# EAGLE board Mk4 Final Panel 6up 3x2 (EAGLE 9.0.1), part 3 of 18 (continued)
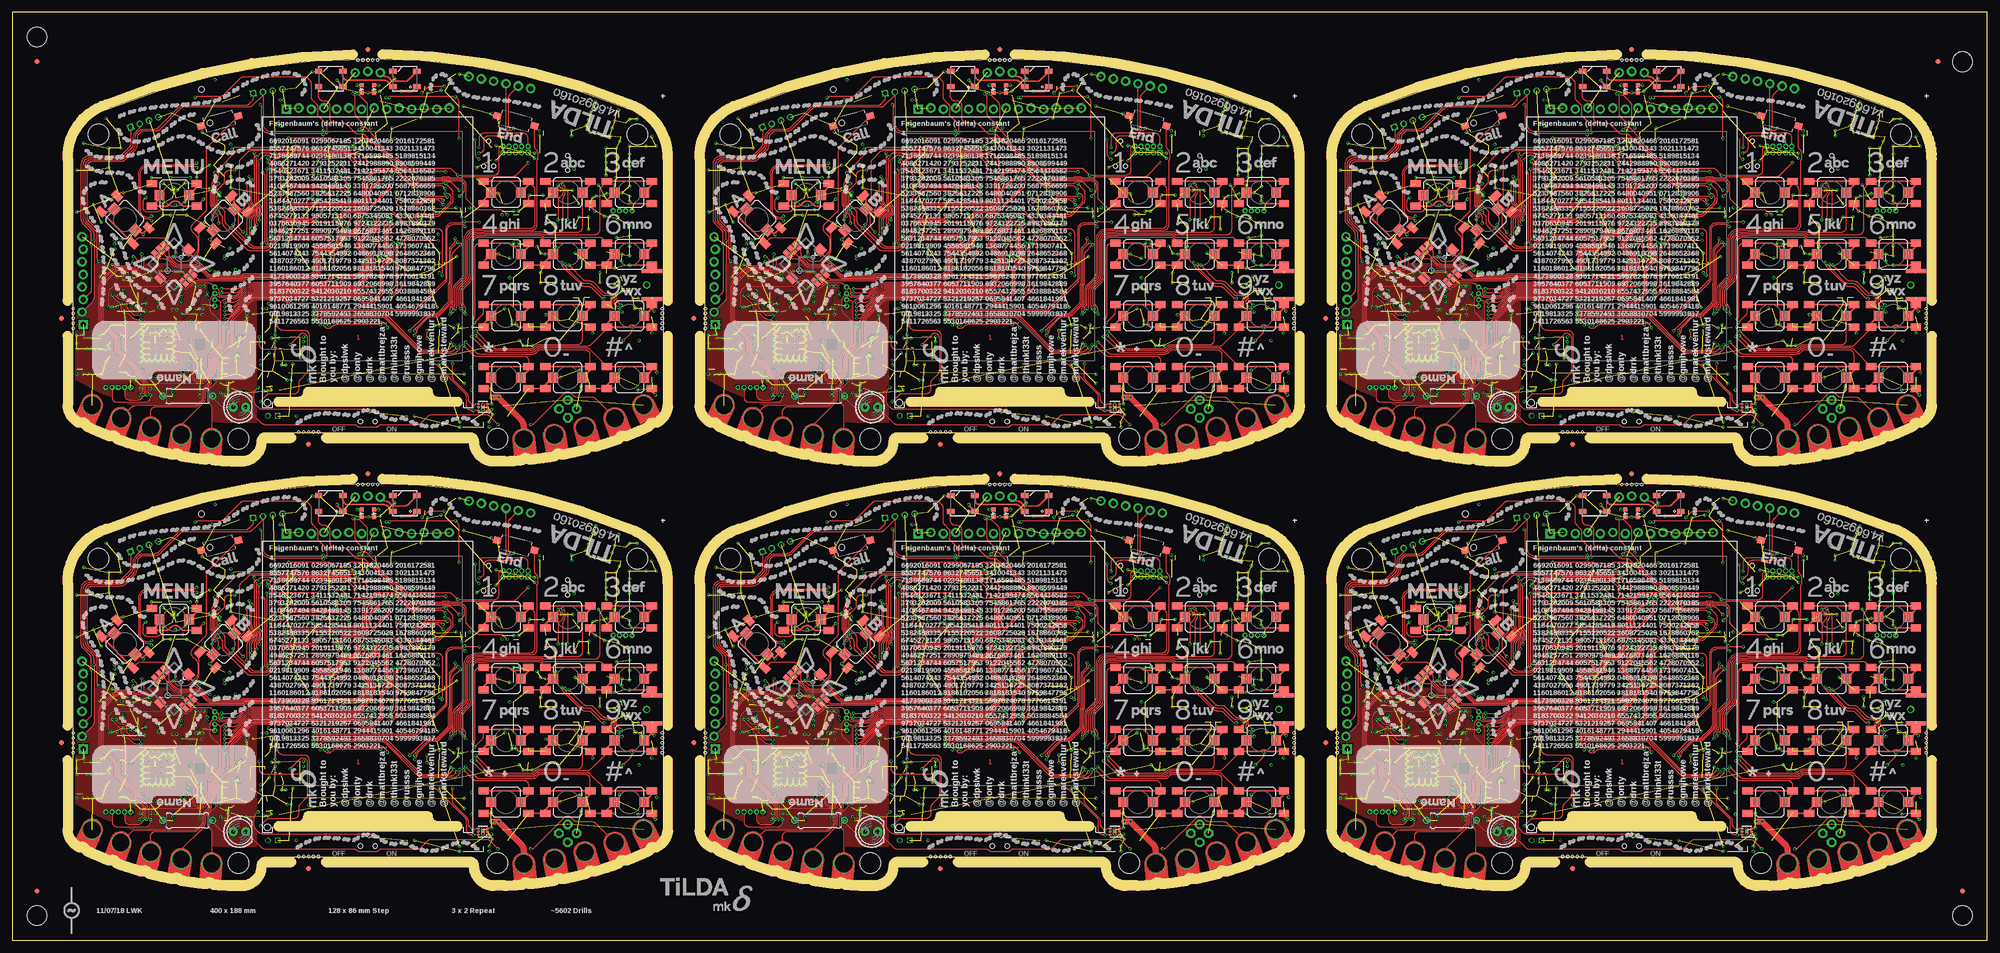
[diagram p0: board, top side]
## Library data of the parts
ANT1-ANT10 ANT13 ANT14 ARTWORK3-ARTWORK7 ARTWORK10-ARTWORK14 ARTWORK17-ARTWORK21 ARTWORK24-ARTWORK28 ARTWORK31-ARTWORK35 ARTWORK45-ARTWORK49 BATT BATT1-BATT4 BATT6 C1-C31 C33-C71 C78 C79 C81-C141 C143-C172 C179 C180 C182-C249 C251-C280 C287 C288 C290-C357 C359-C388 C395 C396 C398-C465 C467-C496 C503 C504 C506-C540 C649-C681 C683-C712 C719 C720 C722-C756 D1-D10 D13 D14 E$4 E$11 FL1-FL5 FL7 IC1-IC90 IC109-IC126 J1 J2 J4-J6 J8-J12 J14-J18 J20-J22 J24-J28 J30-J32 J34-J38 J40-J42 J44-J48 J50 J61 J62 J64-J68 J70 JP1 JP5 JP6 JP8 JP15-JP18 JP24-JP27 JP33-JP36 JP42-JP45 JP60-JP63 L1-L45 L55-L63 LCD LCD1-LCD4 LCD6 LED1 LED2 LED7 LED8 LED13 LED14 LED19 LED20 LED25 LED26 LED37 LED38 LOGO1-LOGO25 LOGO31-LOGO35 PCB PCB1-PCB4 PCB6 Q1-Q20 Q25-Q28 R1-R10 R12-R74 R76-R94 R96-R155 R157-R172 R174-R233 R235-R250 R252-R311 R313-R328 R330-R389 R469-R484 R486-R545 S1-S19 S21-S40 S42-S61 S63-S82 S84-S103 S105 S127-S145 S147 SW1-SW5 SW7 TP19 TP38 TP57 TP76 TP95 TP133 U1-U15 U19-U21 X1-X20 X25-X28 = TiLDA Mk4 Parts
ARTWORK1 ARTWORK2 ARTWORK8 ARTWORK9 ARTWORK15 ARTWORK16 ARTWORK22 ARTWORK23 ARTWORK29 ARTWORK30 ARTWORK43 ARTWORK44 C32 C72-C77 C80 C142 C173-C178 C181 C250 C281-C286 C289 C358 C389-C394 C397 C466 C497-C502 C505 C682 C713-C718 C721 FID1-FID30 FID37-FID42 J3 J13 J23 J33 J43 J63 JP2-JP4 JP7 JP9-JP14 JP19-JP23 JP28-JP32 JP37-JP41 JP55-JP59 LAYERS1-LAYERS5 LAYERS7 LED5 LED11 LED17 LED23 LED29 LED41 R11 R75 R95 R156 R173 R234 R251 R312 R329 R390 R485 R546 S20 S41 S62 S83 S104 S146 = TiLDA Mk4 Parts; DNP: Y
E$1-E$3 E$5-E$10 = TiLDA Mk3 Parts
J7 J19 J29 J39 J49 J69 = CISECO eaglecad designs
LED3 LED6 LED9 LED12 LED15 LED18 LED21 LED24 LED27 LED30 LED39 LED42 = TiLDA Mk4 Parts; COLOUR: RED
LED4 LED10 LED16 LED22 LED28 LED40 = TiLDA Mk4 Parts; COLOUR: GREEN
TP1 TP20 TP39 TP58 TP77 TP115 = TiLDA Mk4 Parts; TP_SIGNAL_NAME: !HIB
TP2 TP21 TP40 TP59 TP78 TP116 = TiLDA Mk4 Parts; TP_SIGNAL_NAME: SIM_DTR
TP3 TP22 TP41 TP60 TP79 TP117 = TiLDA Mk4 Parts; TP_SIGNAL_NAME: SIM_DCD
TP4 TP23 TP42 TP61 TP80 TP118 = TiLDA Mk4 Parts; TP_SIGNAL_NAME: SIM_CTS
TP5 TP24 TP43 TP62 TP81 TP119 = TiLDA Mk4 Parts; TP_SIGNAL_NAME: SIM_RTS
TP6 TP25 TP44 TP63 TP82 TP120 = TiLDA Mk4 Parts; TP_SIGNAL_NAME: USB_ID
TP7 TP26 TP45 TP64 TP83 TP121 = TiLDA Mk4 Parts; TP_SIGNAL_NAME: USB_VBUS
TP8 TP27 TP46 TP65 TP84 TP122 = TiLDA Mk4 Parts; TP_SIGNAL_NAME: SIM_RXD
TP9 TP28 TP47 TP66 TP85 TP123 = TiLDA Mk4 Parts; TP_SIGNAL_NAME: SIM_TXD
TP10 TP29 TP48 TP67 TP86 TP124 = TiLDA Mk4 Parts; TP_SIGNAL_NAME: SIM_RI
TP11 TP30 TP49 TP68 TP87 TP125 = TiLDA Mk4 Parts; TP_SIGNAL_NAME: SIM_STATUS
TP12 TP31 TP50 TP69 TP88 TP126 = TiLDA Mk4 Parts; TP_SIGNAL_NAME: SIM_NETLIGHT
TP13 TP32 TP51 TP70 TP89 TP127 = TiLDA Mk4 Parts; TP_SIGNAL_NAME: SIM_PWR_KEY
TP14 TP33 TP52 TP71 TP90 TP128 = TiLDA Mk4 Parts; TP_SIGNAL_NAME: VBAT
TP15 TP34 TP53 TP72 TP91 TP129 = TiLDA Mk4 Parts; TP_SIGNAL_NAME: VBATT
TP16 TP35 TP54 TP73 TP92 TP130 = TiLDA Mk4 Parts; TP_SIGNAL_NAME: 3V3
TP17 TP36 TP55 TP74 TP93 TP131 = TiLDA Mk4 Parts; TP_SIGNAL_NAME: GND
TP18 TP37 TP56 TP75 TP94 TP132 = TiLDA Mk4 Parts; TP_SIGNAL_NAME: V_UNREG
U$1-U$5 U$7 = TiLDA Mk4 Parts; PARTNO: DNP

## Nets
3V1: C109.2 C110.2 C112.2 C113.2 C114.2 C115.2 C119.2 C120.2 C121.2 C122.2 C123.2 C124.2 C131.2 C132.2 C133.2 C134.2 C135.2 C136.2 C137.2 C138.2 C143.1 C145.1 C153.2 C154.2 C171.2 C172.2 C185.1 C186.2 C196.1 C197.1 C198.1 C199.1 C200.1 C201.1 C210.1 C211.1 C212.1 C215.1 C216.1 IC19.1 IC19.3 IC19.9 IC19.14 IC19.27 IC19.43 IC19.49 IC20.7 IC20.8 IC20.9 IC20.16 IC20.26 IC20.28 IC20.39 IC20.47 IC20.51 IC20.52 IC20.68 IC20.69 IC20.79 IC20.90 IC20.101 IC20.113 IC20.122 IC22.8 IC26.8 IC27.14 IC28.6 IC29.10 IC29.37 IC29.39 IC29.44 IC29.47 IC29.54 IC30.8 IC31.21 IC32.5 IC34.1 IC35.5 IC36.1 J6.1 J6.7 J6.8 J6.9 J6.35 J6.40 J6.41 J6.42 J13.1 J16.3 J16.7 J18.3 J18.7 J20.2 JP10.1 JP12.8 JP12.11 JP12.14 JP17.8 L11.2 PCB1.3V3 R88.2 R89.2 R93.1 R94.1 R95.2 R103.2 R104.2 R105.2 R106.2 R128.2 R134.2 R138.1 R144.1 R145.2 R146.2 R147.2 R151.2 R152.2 SW2.COM TP35.TP
3V2: C217.2 C218.2 C220.2 C221.2 C222.2 C223.2 C227.2 C228.2 C229.2 C230.2 C231.2 C232.2 C239.2 C240.2 C241.2 C242.2 C243.2 C244.2 C245.2 C246.2 C251.1 C253.1 C261.2 C262.2 C279.2 C280.2 C293.1 C294.2 C304.1 C305.1 C306.1 C307.1 C308.1 C309.1 C318.1 C319.1 C320.1 C323.1 C324.1 IC37.1 IC37.3 IC37.9 IC37.14 IC37.27 IC37.43 IC37.49 IC38.7 IC38.8 IC38.9 IC38.16 IC38.26 IC38.28 IC38.39 IC38.47 IC38.51 IC38.52 IC38.68 IC38.69 IC38.79 IC38.90 IC38.101 IC38.113 IC38.122 IC40.8 IC44.8 IC45.14 IC46.6 IC47.10 IC47.37 IC47.39 IC47.44 IC47.47 IC47.54 IC48.8 IC49.21 IC50.5 IC52.1 IC53.5 IC54.1 J21.1 J21.7 J21.8 J21.9 J21.35 J21.40 J21.41 J21.42 J23.1 J26.3 J26.7 J28.3 J28.7 J30.2 JP19.1 JP21.8 JP21.11 JP21.14 JP26.8 L20.2 PCB2.3V3 R166.2 R167.2 R171.1 R172.1 R173.2 R181.2 R182.2 R183.2 R184.2 R206.2 R212.2 R216.1 R222.1 R223.2 R224.2 R225.2 R229.2 R230.2 SW3.COM TP54.TP
3V3: C2.2 C3.2 C4.2 C5.2 C9.2 C10.2 C11.2 C12.2 C13.2 C14.2 C21.2 C22.2 C23.2 C24.2 C25.2 C26.2 C27.2 C28.2 C33.1 C38.2 C42.2 C43.2 C45.2 C47.1 C58.1 C59.2 C70.2 C71.2 C88.1 C89.1 C90.1 C91.1 C92.1 C93.1 C102.1 C103.1 C104.1 C107.1 C108.1 IC1.7 IC1.8 IC1.9 IC1.16 IC1.26 IC1.28 IC1.39 IC1.47 IC1.51 IC1.52 IC1.68 IC1.69 IC1.79 IC1.90 IC1.101 IC1.113 IC1.122 IC2.1 IC2.3 IC2.9 IC2.14 IC2.27 IC2.43 IC2.49 IC3.5 IC4.21 IC6.8 IC11.8 IC12.14 IC13.6 IC14.8 IC15.10 IC15.37 IC15.39 IC15.44 IC15.47 IC15.54 IC16.5 IC17.1 IC18.1 J2.1 J2.7 J2.8 J2.9 J2.35 J2.40 J2.41 J2.42 J3.1 J8.3 J8.7 J10.3 J10.7 J11.2 JP4.1 JP6.8 JP7.8 JP7.11 JP7.14 L4.2 PCB.3V3 R4.2 R5.2 R9.1 R10.1 R11.2 R21.2 R22.2 R23.2 R24.2 R50.2 R56.2 R60.1 R66.1 R67.2 R68.2 R69.2 R73.2 R76.2 SW1.COM TP16.TP
3V4: C325.2 C326.2 C328.2 C329.2 C330.2 C331.2 C335.2 C336.2 C337.2 C338.2 C339.2 C340.2 C347.2 C348.2 C349.2 C350.2 C351.2 C352.2 C353.2 C354.2 C359.1 C361.1 C369.2 C370.2 C387.2 C388.2 C401.1 C402.2 C412.1 C413.1 C414.1 C415.1 C416.1 C417.1 C426.1 C427.1 C428.1 C431.1 C432.1 IC55.1 IC55.3 IC55.9 IC55.14 IC55.27 IC55.43 IC55.49 IC56.7 IC56.8 IC56.9 IC56.16 IC56.26 IC56.28 IC56.39 IC56.47 IC56.51 IC56.52 IC56.68 IC56.69 IC56.79 IC56.90 IC56.101 IC56.113 IC56.122 IC58.8 IC62.8 IC63.14 IC64.6 IC65.10 IC65.37 IC65.39 IC65.44 IC65.47 IC65.54 IC66.8 IC67.21 IC68.5 IC70.1 IC71.5 IC72.1 J31.1 J31.7 J31.8 J31.9 J31.35 J31.40 J31.41 J31.42 J33.1 J36.3 J36.7 J38.3 J38.7 J40.2 JP28.1 JP30.8 JP30.11 JP30.14 JP35.8 L29.2 PCB3.3V3 R244.2 R245.2 R249.1 R250.1 R251.2 R259.2 R260.2 R261.2 R262.2 R284.2 R290.2 R294.1 R300.1 R301.2 R302.2 R303.2 R307.2 R308.2 SW4.COM TP73.TP
3V5: C433.2 C434.2 C436.2 C437.2 C438.2 C439.2 C443.2 C444.2 C445.2 C446.2 C447.2 C448.2 C455.2 C456.2 C457.2 C458.2 C459.2 C460.2 C461.2 C462.2 C467.1 C469.1 C477.2 C478.2 C495.2 C496.2 C509.1 C510.2 C520.1 C521.1 C522.1 C523.1 C524.1 C525.1 C534.1 C535.1 C536.1 C539.1 C540.1 IC73.1 IC73.3 IC73.9 IC73.14 IC73.27 IC73.43 IC73.49 IC74.7 IC74.8 IC74.9 IC74.16 IC74.26 IC74.28 IC74.39 IC74.47 IC74.51 IC74.52 IC74.68 IC74.69 IC74.79 IC74.90 IC74.101 IC74.113 IC74.122 IC76.8 IC80.8 IC81.14 IC82.6 IC83.10 IC83.37 IC83.39 IC83.44 IC83.47 IC83.54 IC84.8 IC85.21 IC86.5 IC88.1 IC89.5 IC90.1 J41.1 J41.7 J41.8 J41.9 J41.35 J41.40 J41.41 J41.42 J43.1 J46.3 J46.7 J48.3 J48.7 J50.2 JP37.1 JP39.8 JP39.11 JP39.14 JP44.8 L38.2 PCB4.3V3 R322.2 R323.2 R327.1 R328.1 R329.2 R337.2 R338.2 R339.2 R340.2 R362.2 R368.2 R372.1 R378.1 R379.2 R380.2 R381.2 R385.2 R386.2 SW5.COM TP92.TP
3V7: C649.2 C650.2 C652.2 C653.2 C654.2 C655.2 C659.2 C660.2 C661.2 C662.2 C663.2 C664.2 C671.2 C672.2 C673.2 C674.2 C675.2 C676.2 C677.2 C678.2 C683.1 C685.1 C693.2 C694.2 C711.2 C712.2 C725.1 C726.2 C736.1 C737.1 C738.1 C739.1 C740.1 C741.1 C750.1 C751.1 C752.1 C755.1 C756.1 IC109.1 IC109.3 IC109.9 IC109.14 IC109.27 IC109.43 IC109.49 IC110.7 IC110.8 IC110.9 IC110.16 IC110.26 IC110.28 IC110.39 IC110.47 IC110.51 IC110.52 IC110.68 IC110.69 IC110.79 IC110.90 IC110.101 IC110.113 IC110.122 IC112.8 IC116.8 IC117.14 IC118.6 IC119.10 IC119.37 IC119.39 IC119.44 IC119.47 IC119.54 IC120.8 IC121.21 IC122.5 IC124.1 IC125.5 IC126.1 J61.1 J61.7 J61.8 J61.9 J61.35 J61.40 J61.41 J61.42 J63.1 J66.3 J66.7 J68.3 J68.7 J70.2 JP55.1 JP57.8 JP57.11 JP57.14 JP62.8 L56.2 PCB6.3V3 R478.2 R479.2 R483.1 R484.1 R485.2 R493.2 R494.2 R495.2 R496.2 R518.2 R524.2 R528.1 R534.1 R535.2 R536.2 R537.2 R541.2 R542.2 SW7.COM TP130.TP
!HIB: IC1.65 TP1.TP
!HIB1: IC20.65 TP20.TP
!HIB2: IC38.65 TP39.TP
!HIB3: IC56.65 TP58.TP
!HIB4: IC74.65 TP77.TP
!HIB6: IC110.65 TP115.TP
!RESET: C15.2 IC1.70 J3.10 R4.1 S19.2
!RESET1: C125.2 IC20.70 J13.10 R88.1 S40.2
!RESET2: C233.2 IC38.70 J23.10 R166.1 S61.2
!RESET3: C341.2 IC56.70 J33.10 R244.1 S82.2
!RESET4: C449.2 IC74.70 J43.10 R322.1 S103.2
!RESET6: C665.2 IC110.70 J63.10 R478.1 S145.2
!WAKE: IC1.64 R5.1 S20.2
!WAKE1: IC20.64 R89.1 S41.2
!WAKE2: IC38.64 R167.1 S62.2
!WAKE3: IC56.64 R245.1 S83.2
!WAKE4: IC74.64 R323.1 S104.2
!WAKE6: IC110.64 R479.1 S146.2
ADC1_HALL: IC1.13 IC18.2
ADC1_HALL1: IC20.13 IC36.2
ADC1_HALL2: IC38.13 IC54.2
ADC1_HALL3: IC56.13 IC72.2
ADC1_HALL4: IC74.13 IC90.2
ADC1_HALL6: IC110.13 IC126.2
AIN6_SPK_ADC: IC1.126 IC11.7 R46.2
AIN6_SPK_ADC1: IC20.126 IC26.7 R127.2
AIN6_SPK_ADC2: IC38.126 IC44.7 R205.2
AIN6_SPK_ADC3: IC56.126 IC62.7 R283.2
AIN6_SPK_ADC4: IC74.126 IC80.7 R361.2
AIN6_SPK_ADC6: IC110.126 IC116.7 R517.2
AMP_!SHUTDOWN: IC1.46 IC13.1 R74.1
AMP_!SHUTDOWN1: IC20.46 IC28.1 R155.1
AMP_!SHUTDOWN2: IC38.46 IC46.1 R233.1
AMP_!SHUTDOWN3: IC56.46 IC64.1 R311.1
AMP_!SHUTDOWN4: IC74.46 IC82.1 R389.1
AMP_!SHUTDOWN6: IC110.46 IC118.1 R545.1
AMP_IN_N [Audio]: IC13.4 R58.2 R78.2
AMP_IN_N1 [Audio]: IC28.4 R136.2 R154.2
AMP_IN_N2 [Audio]: IC46.4 R214.2 R232.2
AMP_IN_N3 [Audio]: IC64.4 R292.2 R310.2
AMP_IN_N4 [Audio]: IC82.4 R370.2 R388.2
AMP_IN_N6 [Audio]: IC118.4 R526.2 R544.2
AMP_IN_P [Audio]: J9.2 J9.3 R57.2 R75.2 R77.2
AMP_IN_P1 [Audio]: J17.2 J17.3 R135.2 R153.2 R156.2
AMP_IN_P2 [Audio]: J27.2 J27.3 R213.2 R231.2 R234.2
AMP_IN_P3 [Audio]: J37.2 J37.3 R291.2 R309.2 R312.2
AMP_IN_P4 [Audio]: J47.2 J47.3 R369.2 R387.2 R390.2
AMP_IN_P6 [Audio]: J67.2 J67.3 R525.2 R543.2 R546.2
AMP_IN_R1_N: C106.1 R78.1
AMP_IN_R1_N1: C214.1 R154.1
AMP_IN_R1_N2: C322.1 R232.1
AMP_IN_R1_N3: C430.1 R310.1
AMP_IN_R1_N4: C538.1 R388.1
AMP_IN_R1_N6: C754.1 R544.1
AMP_IN_R1_P: C105.1 R77.1
AMP_IN_R1_P1: C213.1 R153.1
AMP_IN_R1_P2: C321.1 R231.1
AMP_IN_R1_P3: C429.1 R309.1
AMP_IN_R1_P4: C537.1 R387.1
AMP_IN_R1_P6: C753.1 R543.1
AMP_IN_R_N [Audio]: C82.1 R58.1
AMP_IN_R_N1 [Audio]: C183.1 R136.1
AMP_IN_R_N2 [Audio]: C291.1 R214.1
AMP_IN_R_N3 [Audio]: C399.1 R292.1
AMP_IN_R_N4 [Audio]: C507.1 R370.1
AMP_IN_R_N6 [Audio]: C723.1 R526.1
AMP_IN_R_P [Audio]: C83.1 R57.1
AMP_IN_R_P1 [Audio]: C184.1 R135.1
AMP_IN_R_P2 [Audio]: C292.1 R213.1
AMP_IN_R_P3 [Audio]: C400.1 R291.1
AMP_IN_R_P4 [Audio]: C508.1 R369.1
AMP_IN_R_P6 [Audio]: C724.1 R525.1
AMP_IN_TRS_P [Audio]: IC13.3 J9.5 J9.6 R75.1
AMP_IN_TRS_P1 [Audio]: IC28.3 J17.5 J17.6 R156.1
AMP_IN_TRS_P2 [Audio]: IC46.3 J27.5 J27.6 R234.1
AMP_IN_TRS_P3 [Audio]: IC64.3 J37.5 J37.6 R312.1
AMP_IN_TRS_P4 [Audio]: IC82.3 J47.5 J47.6 R390.1
AMP_IN_TRS_P6 [Audio]: IC118.3 J67.5 J67.6 R546.1
BQ_!CE: IC8.9 R17.1
BQ_!CE1: IC24.9 R99.1
BQ_!CE2: IC42.9 R177.1
BQ_!CE3: IC60.9 R255.1
BQ_!CE4: IC78.9 R333.1
BQ_!CE6: IC114.9 R489.1
BQ_!INT: IC1.14 IC8.7
BQ_!INT1: IC20.14 IC24.7
BQ_!INT2: IC38.14 IC42.7
BQ_!INT3: IC56.14 IC60.7
BQ_!INT4: IC74.14 IC78.7
BQ_!INT6: IC110.14 IC114.7
BQ_!PG: IC8.3
BQ_!PG1: IC24.3
BQ_!PG2: IC42.3
BQ_!PG3: IC60.3
BQ_!PG4: IC78.3
BQ_!PG6: IC114.3
BQ_!QON: IC8.12 JP3.2
BQ_!QON1: IC24.12 JP13.2
BQ_!QON2: IC42.12 JP22.2
BQ_!QON3: IC60.12 JP31.2
BQ_!QON4: IC78.12 JP40.2
BQ_!QON6: IC114.12 JP58.2
BQ_PMID: C36.1 IC8.23
BQ_PMID1: C148.1 IC24.23
BQ_PMID2: C256.1 IC42.23
BQ_PMID3: C364.1 IC60.23
BQ_PMID4: C472.1 IC78.23
BQ_PMID6: C688.1 IC114.23
BQ_PSEL: IC8.2 R18.1 R19.1
BQ_PSEL1: IC24.2 R100.1 R101.1
BQ_PSEL2: IC42.2 R178.1 R179.1
BQ_PSEL3: IC60.2 R256.1 R257.1
BQ_PSEL4: IC78.2 R334.1 R335.1
BQ_PSEL6: IC114.2 R490.1 R491.1
BQ_REGN: C39.2 IC8.22 R16.2
BQ_REGN1: C149.2 IC24.22 R98.2
BQ_REGN2: C257.2 IC42.22 R176.2
BQ_REGN3: C365.2 IC60.22 R254.2
BQ_REGN4: C473.2 IC78.22 R332.2
BQ_REGN6: C689.2 IC114.22 R488.2
BQ_STAT: IC8.4 R20.1
BQ_STAT1: IC24.4 R102.1
BQ_STAT2: IC42.4 R180.1
BQ_STAT3: IC60.4 R258.1
BQ_STAT4: IC78.4 R336.1
BQ_STAT6: IC114.4 R492.1
BQ_STAT_R: LED6.C R20.2
BQ_STAT_R1: LED12.C R102.2
BQ_STAT_R2: LED18.C R180.2
BQ_STAT_R3: LED24.C R258.2
BQ_STAT_R4: LED30.C R336.2
BQ_STAT_R6: LED42.C R492.2
BQ_SW: C37.2 IC8.19 IC8.20 L1.1
BQ_SW1: C150.2 IC24.19 IC24.20 L12.1
BQ_SW2: C258.2 IC42.19 IC42.20 L21.1
BQ_SW3: C366.2 IC60.19 IC60.20 L30.1
BQ_SW4: C474.2 IC78.19 IC78.20 L39.1
BQ_SW6: C690.2 IC114.19 IC114.20 L57.1
BQ_TS: IC8.11 R15.2 R16.1
BQ_TS1: IC24.11 R97.2 R98.1
BQ_TS2: IC42.11 R175.2 R176.1
BQ_TS3: IC60.11 R253.2 R254.1
BQ_TS4: IC78.11 R331.2 R332.1
BQ_TS6: IC114.11 R487.2 R488.1
BT_ANT [50R Single]: C74.2 IC5.20 L5.1
BT_ANT1 [50R Single]: C175.2 IC21.20 L14.1
BT_ANT2 [50R Single]: C283.2 IC39.20 L23.1
BT_ANT3 [50R Single]: C391.2 IC57.20 L32.1
BT_ANT4 [50R Single]: C499.2 IC75.20 L41.1
BT_ANT6 [50R Single]: C715.2 IC111.20 L59.1
BT_ANT_L [50R Single]: ANT2.1 C75.2 L5.2
BT_ANT_L1 [50R Single]: ANT4.1 C176.2 L14.2
BT_ANT_L2 [50R Single]: ANT6.1 C284.2 L23.2
BT_ANT_L3 [50R Single]: ANT8.1 C392.2 L32.2
BT_ANT_L4 [50R Single]: ANT10.1 C500.2 L41.2
BT_ANT_L6 [50R Single]: ANT14.1 C716.2 L59.2
BTN_1: IC4.1 S1.2 S1.B1 S1.B2
BTN_2: IC4.3 S2.2 S2.B1 S2.B2
BTN_3: IC4.4 S3.2 S3.B1 S3.B2
BTN_4: IC4.7 S4.2 S4.B1 S4.B2
BTN_5: IC4.6 S5.2 S5.B1 S5.B2
BTN_6: IC4.5 S6.2 S6.B1 S6.B2
BTN_7: IC4.8 S7.2 S7.B1 S7.B2
BTN_8: IC4.10 S8.2 S8.B1 S8.B2
BTN_9: IC4.11 S9.2 S9.B1 S9.B2
BTN_10: IC4.14 S10.2 S10.B1 S10.B2
BTN_11: IC4.13 S11.2 S11.B1 S11.B2
BTN_12: IC4.12 S12.2 S12.B1 S12.B2
BTN_13: IC31.1 S21.2 S21.B1 S21.B2
BTN_14: IC31.3 S26.2 S26.B1 S26.B2
BTN_15: IC31.4 S30.2 S30.B1 S30.B2
BTN_16: IC31.14 S25.2 S25.B1 S25.B2
BTN_17: IC31.6 S27.2 S27.B1 S27.B2
BTN_18: IC31.10 S28.2 S28.B1 S28.B2
BTN_19: IC31.13 S29.2 S29.B1 S29.B2
BTN_20: IC31.5 S31.2 S31.B1 S31.B2
BTN_21: IC31.11 S32.2 S32.B1 S32.B2
BTN_22: IC31.12 S33.2 S33.B1 S33.B2
BTN_23: IC31.7 S23.2 S23.B1 S23.B2
BTN_24: IC31.8 S24.2 S24.B1 S24.B2
BTN_25: IC49.1 S43.2 S43.B1 S43.B2
BTN_26: IC49.3 S47.2 S47.B1 S47.B2
BTN_27: IC49.4 S51.2 S51.B1 S51.B2
BTN_28: IC49.14 S46.2 S46.B1 S46.B2
BTN_29: IC49.6 S48.2 S48.B1 S48.B2
BTN_30: IC49.10 S49.2 S49.B1 S49.B2
BTN_31: IC49.13 S50.2 S50.B1 S50.B2
BTN_32: IC49.5 S52.2 S52.B1 S52.B2
BTN_33: IC49.11 S53.2 S53.B1 S53.B2
BTN_34: IC49.12 S54.2 S54.B1 S54.B2
BTN_35: IC49.7 S44.2 S44.B1 S44.B2
BTN_36: IC49.8 S45.2 S45.B1 S45.B2
BTN_37: IC67.1 S64.2 S64.B1 S64.B2
BTN_38: IC67.3 S68.2 S68.B1 S68.B2
BTN_39: IC67.4 S72.2 S72.B1 S72.B2
BTN_40: IC67.14 S67.2 S67.B1 S67.B2
BTN_41: IC67.6 S69.2 S69.B1 S69.B2
BTN_42: IC67.10 S70.2 S70.B1 S70.B2
BTN_43: IC67.13 S71.2 S71.B1 S71.B2
BTN_44: IC67.5 S73.2 S73.B1 S73.B2
BTN_45: IC67.11 S74.2 S74.B1 S74.B2
BTN_46: IC67.12 S75.2 S75.B1 S75.B2
BTN_47: IC67.7 S65.2 S65.B1 S65.B2
BTN_48: IC67.8 S66.2 S66.B1 S66.B2
BTN_49: IC85.1 S85.2 S85.B1 S85.B2
BTN_50: IC85.3 S89.2 S89.B1 S89.B2
BTN_51: IC85.4 S93.2 S93.B1 S93.B2
BTN_52: IC85.14 S88.2 S88.B1 S88.B2
BTN_53: IC85.6 S90.2 S90.B1 S90.B2
BTN_54: IC85.10 S91.2 S91.B1 S91.B2
BTN_55: IC85.13 S92.2 S92.B1 S92.B2
BTN_56: IC85.5 S94.2 S94.B1 S94.B2
BTN_57: IC85.11 S95.2 S95.B1 S95.B2
BTN_58: IC85.12 S96.2 S96.B1 S96.B2
BTN_59: IC85.7 S86.2 S86.B1 S86.B2
BTN_60: IC85.8 S87.2 S87.B1 S87.B2
BTN_73: IC121.1 S127.2 S127.B1 S127.B2
BTN_74: IC121.3 S131.2 S131.B1 S131.B2
BTN_75: IC121.4 S135.2 S135.B1 S135.B2
BTN_76: IC121.14 S130.2 S130.B1 S130.B2
BTN_77: IC121.6 S132.2 S132.B1 S132.B2
BTN_78: IC121.10 S133.2 S133.B1 S133.B2
BTN_79: IC121.13 S134.2 S134.B1 S134.B2
BTN_80: IC121.5 S136.2 S136.B1 S136.B2
BTN_81: IC121.11 S137.2 S137.B1 S137.B2
BTN_82: IC121.12 S138.2 S138.B1 S138.B2
BTN_83: IC121.7 S128.2 S128.B1 S128.B2
BTN_84: IC121.8 S129.2 S129.B1 S129.B2
BTN_A: IC4.16 S13.2 S13.B1 S13.B2
BTN_A1: IC31.16 S35.2 S35.B1 S35.B2
BTN_A2: IC49.16 S56.2 S56.B1 S56.B2
BTN_A3: IC67.16 S77.2 S77.B1 S77.B2
BTN_A4: IC85.16 S98.2 S98.B1 S98.B2
BTN_A6: IC121.16 S140.2 S140.B1 S140.B2
BTN_B: IC4.17 S15.2 S15.B1 S15.B2
BTN_B1: IC31.17 S34.2 S34.B1 S34.B2
BTN_B2: IC49.17 S55.2 S55.B1 S55.B2
BTN_B3: IC67.17 S76.2 S76.B1 S76.B2
BTN_B4: IC85.17 S97.2 S97.B1 S97.B2
BTN_B6: IC121.17 S139.2 S139.B1 S139.B2
BTN_CALL: IC4.15 S16.2
BTN_CALL1: IC31.15 S37.2
BTN_CALL2: IC49.15 S58.2
BTN_CALL3: IC67.15 S79.2
BTN_CALL4: IC85.15 S100.2
BTN_CALL6: IC121.15 S142.2
BTN_END: IC4.2 S17.2
BTN_END1: IC31.2 S38.2
BTN_END2: IC49.2 S59.2
BTN_END3: IC67.2 S80.2
BTN_END4: IC85.2 S101.2
BTN_END6: IC121.2 S143.2
BTN_MENU: IC1.102 S14.2 S14.B1 S14.B2
BTN_MENU1: IC20.102 S36.2 S36.B1 S36.B2
BTN_MENU2: IC38.102 S57.2 S57.B1 S57.B2
BTN_MENU3: IC56.102 S78.2 S78.B1 S78.B2
BTN_MENU4: IC74.102 S99.2 S99.B1 S99.B2
BTN_MENU6: IC110.102 S141.2 S141.B1 S141.B2
BTST: C37.1 IC8.21
BTST1: C150.1 IC24.21
BTST2: C258.1 IC42.21
BTST3: C366.1 IC60.21
BTST4: C474.1 IC78.21
BTST6: C690.1 IC114.21
CC_!CTS: IC15.61
CC_!CTS1: IC29.61
CC_!CTS2: IC47.61
CC_!CTS3: IC65.61
CC_!CTS4: IC83.61
CC_!CTS6: IC119.61
CC_!HIB: IC1.124 IC15.2 R25.1
CC_!HIB1: IC20.124 IC29.2 R107.1
CC_!HIB2: IC38.124 IC47.2 R185.1
CC_!HIB3: IC56.124 IC65.2 R263.1
CC_!HIB4: IC74.124 IC83.2 R341.1
CC_!HIB6: IC110.124 IC119.2 R497.1
CC_!RESET: C60.2 IC1.12 IC15.32 JP5.4 R73.1
CC_!RESET1: C187.2 IC20.12 IC29.32 JP16.4 R151.1
CC_!RESET2: C295.2 IC38.12 IC47.32 JP25.4 R229.1
CC_!RESET3: C403.2 IC56.12 IC65.32 JP34.4 R307.1
CC_!RESET4: C511.2 IC74.12 IC83.32 JP43.4 R385.1
CC_!RESET6: C727.2 IC110.12 IC119.32 JP61.4 R541.1
CC_!RTS: IC15.50 R70.1
CC_!RTS1: IC29.50 R148.1
CC_!RTS2: IC47.50 R226.1
CC_!RTS3: IC65.50 R304.1
CC_!RTS4: IC83.50 R382.1
CC_!RTS6: IC119.50 R538.1
CC_IRQ: IC1.123 IC15.15 R72.1
CC_IRQ1: IC20.123 IC29.15 R150.1
CC_IRQ2: IC38.123 IC47.15 R228.1
CC_IRQ3: IC56.123 IC65.15 R306.1
CC_IRQ4: IC74.123 IC83.15 R384.1
CC_IRQ6: IC110.123 IC119.15 R540.1
CC_RCT_XTAL_N: C100.2 IC15.52 X3.P$1
CC_RCT_XTAL_N1: C208.2 IC29.52 X7.P$1
CC_RCT_XTAL_N2: C316.2 IC47.52 X11.P$1
CC_RCT_XTAL_N3: C424.2 IC65.52 X15.P$1
CC_RCT_XTAL_N4: C532.2 IC83.52 X19.P$1
CC_RCT_XTAL_N6: C748.2 IC119.52 X27.P$1
CC_RESERVED@1: IC29.19 R143.1
CC_RESERVED@2: IC47.19 R221.1
CC_RESERVED@3: IC65.19 R299.1
CC_RESERVED@4: IC83.19 R377.1
CC_RESERVED@6: IC119.19 R533.1
CC_RESERVED@19: IC15.19 R65.1
CC_RTC_XTAL_P: C101.2 IC15.51 X3.P$2
CC_RTC_XTAL_P1: C209.2 IC29.51 X7.P$2
CC_RTC_XTAL_P2: C317.2 IC47.51 X11.P$2
CC_RTC_XTAL_P3: C425.2 IC65.51 X15.P$2
CC_RTC_XTAL_P4: C533.2 IC83.51 X19.P$2
CC_RTC_XTAL_P6: C749.2 IC119.51 X27.P$2
CC_TEST1: IC29.62 TP38.TP
CC_TEST2: IC47.62 TP57.TP
CC_TEST3: IC65.62 TP76.TP
CC_TEST4: IC83.62 TP95.TP
CC_TEST6: IC119.62 TP133.TP
CC_TEST62: IC15.62 TP19.TP
CC_WLAN_XTAL_: C99.2 IC15.22 X4.3
CC_WLAN_XTAL_1: C207.2 IC29.22 X8.3
CC_WLAN_XTAL_2: C315.2 IC47.22 X12.3
CC_WLAN_XTAL_3: C423.2 IC65.22 X16.3
CC_WLAN_XTAL_4: C531.2 IC83.22 X20.3
CC_WLAN_XTAL_6: C747.2 IC119.22 X28.3
CC_WLAN_XTAL_P: C98.2 IC15.23 X4.1
CC_WLAN_XTAL_P1: C206.2 IC29.23 X8.1
CC_WLAN_XTAL_P2: C314.2 IC47.23 X12.1
CC_WLAN_XTAL_P3: C422.2 IC65.23 X16.1
CC_WLAN_XTAL_P4: C530.2 IC83.23 X20.1
CC_WLAN_XTAL_P6: C746.2 IC119.23 X28.1
DCDC_ANA2_SW_N: IC15.46
DCDC_ANA2_SW_N1: IC29.46
DCDC_ANA2_SW_N2: IC47.46
DCDC_ANA2_SW_N3: IC65.46
DCDC_ANA2_SW_N4: IC83.46
DCDC_ANA2_SW_N6: IC119.46
DCDC_ANA2_SW_P: IC15.45
DCDC_ANA2_SW_P1: IC29.45
DCDC_ANA2_SW_P2: IC47.45
DCDC_ANA2_SW_P3: IC65.45
DCDC_ANA2_SW_P4: IC83.45
DCDC_ANA2_SW_P6: IC119.45
DCDC_ANA_SW: IC15.38 L7.2
DCDC_ANA_SW1: IC29.38 L16.2
DCDC_ANA_SW2: IC47.38 L25.2
DCDC_ANA_SW3: IC65.38 L34.2
DCDC_ANA_SW4: IC83.38 L43.2
DCDC_ANA_SW6: IC119.38 L61.2
DCDC_DIG_SW: IC15.43 L9.2
DCDC_DIG_SW1: IC29.43 L18.2
DCDC_DIG_SW2: IC47.43 L27.2
DCDC_DIG_SW3: IC65.43 L36.2
DCDC_DIG_SW4: IC83.43 L45.2
DCDC_DIG_SW6: IC119.43 L63.2
DCDC_PA_SW_N: IC15.41 L8.1
DCDC_PA_SW_N1: IC29.41 L17.1
DCDC_PA_SW_N2: IC47.41 L26.1
DCDC_PA_SW_N3: IC65.41 L35.1
DCDC_PA_SW_N4: IC83.41 L44.1
DCDC_PA_SW_N6: IC119.41 L62.1
DCDC_PA_SW_P: IC15.40 L8.2
DCDC_PA_SW_P1: IC29.40 L17.2
DCDC_PA_SW_P2: IC47.40 L26.2
DCDC_PA_SW_P3: IC65.40 L35.2
DCDC_PA_SW_P4: IC83.40 L44.2
DCDC_PA_SW_P6: IC119.40 L62.2
EN0RXI_N [100R Diff]: IC1.53 JP7.6
EN0RXI_N1 [100R Diff]: IC20.53 JP12.6
EN0RXI_N2 [100R Diff]: IC38.53 JP21.6
EN0RXI_N3 [100R Diff]: IC56.53 JP30.6
EN0RXI_N4 [100R Diff]: IC74.53 JP39.6
EN0RXI_N6 [100R Diff]: IC110.53 JP57.6
EN0RXI_P [100R Diff]: IC1.54 JP7.7
EN0RXI_P1 [100R Diff]: IC20.54 JP12.7
EN0RXI_P2 [100R Diff]: IC38.54 JP21.7
EN0RXI_P3 [100R Diff]: IC56.54 JP30.7
EN0RXI_P4 [100R Diff]: IC74.54 JP39.7
EN0RXI_P6 [100R Diff]: IC110.54 JP57.7
EN0TXO_N [100R Diff]: IC1.56 JP7.12
EN0TXO_N1 [100R Diff]: IC20.56 JP12.12
EN0TXO_N2 [100R Diff]: IC38.56 JP21.12
EN0TXO_N3 [100R Diff]: IC56.56 JP30.12
EN0TXO_N4 [100R Diff]: IC74.56 JP39.12
EN0TXO_N6 [100R Diff]: IC110.56 JP57.12
EN0TXO_P [100R Diff]: IC1.57 JP7.13
EN0TXO_P1 [100R Diff]: IC20.57 JP12.13
EN0TXO_P2 [100R Diff]: IC38.57 JP21.13
EN0TXO_P3 [100R Diff]: IC56.57 JP30.13
EN0TXO_P4 [100R Diff]: IC74.57 JP39.13
EN0TXO_P6 [100R Diff]: IC110.57 JP57.13
ETHLED0: IC1.42 R1.2
ETHLED0_R: JP7.3 R1.1
ETHLED0_R1: JP12.3 R85.1
ETHLED0_R2: JP21.3 R163.1
ETHLED0_R3: JP30.3 R241.1
ETHLED0_R4: JP39.3 R319.1
ETHLED0_R6: JP57.3 R475.1
ETHLED1: IC1.43 R2.2
ETHLED1_R: JP7.5 R2.1
ETHLED1_R1: JP12.5 R86.1
ETHLED1_R2: JP21.5 R164.1
ETHLED1_R3: JP30.5 R242.1
ETHLED1_R4: JP39.5 R320.1
ETHLED1_R6: JP57.5 R476.1
ETHLED2: IC20.42 R85.2
ETHLED3: IC20.43 R86.2
ETHLED4: IC38.42 R163.2
ETHLED5: IC38.43 R164.2
ETHLED6: IC56.42 R241.2
ETHLED7: IC56.43 R242.2
ETHLED8: IC74.42 R319.2
ETHLED9: IC74.43 R320.2
ETHLED12: IC110.42 R475.2
ETHLED13: IC110.43 R476.2
FET: IC1.110 Q2.1 R59.1
FET1: IC20.110 Q5.1 R137.1
FET2: IC38.110 Q10.1 R215.1
FET3: IC56.110 Q14.1 R293.1
FET4: IC74.110 Q18.1 R371.1
FET6: IC110.110 Q26.1 R527.1
FET_OUT: LED5.K PCB.FET Q2.3
FET_OUT1: LED11.K PCB1.FET Q5.3
FET_OUT2: LED17.K PCB2.FET Q10.3
FET_OUT3: LED23.K PCB3.FET Q14.3
FET_OUT4: LED29.K PCB4.FET Q18.3
FET_OUT6: LED41.K PCB6.FET Q26.3
FLASH_!CS: IC14.1 IC15.14 JP1.3 R67.1
FLASH_!CS1: IC29.14 IC30.1 JP15.3 R145.1
FLASH_!CS2: IC47.14 IC48.1 JP24.3 R223.1
FLASH_!CS3: IC65.14 IC66.1 JP33.3 R301.1
FLASH_!CS4: IC83.14 IC84.1 JP42.3 R379.1
FLASH_!CS6: IC119.14 IC120.1 JP60.3 R535.1
FLASH_!HOLD: IC6.7 R9.2
FLASH_!HOLD1: IC22.7 R93.2
FLASH_!HOLD2: IC40.7 R171.2
FLASH_!HOLD3: IC58.7 R249.2
FLASH_!HOLD4: IC76.7 R327.2
FLASH_!HOLD6: IC112.7 R483.2
FLASH_!WP: IC6.3 R10.2
FLASH_!WP1: IC22.3 R94.2
FLASH_!WP2: IC40.3 R172.2
FLASH_!WP3: IC58.3 R250.2
FLASH_!WP4: IC76.3 R328.2
FLASH_!WP6: IC112.3 R484.2
FLASH_CLK: IC14.6 IC15.11 JP1.4
FLASH_CLK1: IC29.11 IC30.6 JP15.4
FLASH_CLK2: IC47.11 IC48.6 JP24.4
FLASH_CLK3: IC65.11 IC66.6 JP33.4
FLASH_CLK4: IC83.11 IC84.6 JP42.4
FLASH_CLK6: IC119.11 IC120.6 JP60.4
FLASH_MISO: IC14.2 IC15.13 JP1.2
FLASH_MISO1: IC29.13 IC30.2 JP15.2
FLASH_MISO2: IC47.13 IC48.2 JP24.2
FLASH_MISO3: IC65.13 IC66.2 JP33.2
FLASH_MISO4: IC83.13 IC84.2 JP42.2
FLASH_MISO6: IC119.13 IC120.2 JP60.2
FLASH_MOSI: IC14.5 IC15.12 JP1.5
FLASH_MOSI1: IC29.12 IC30.5 JP15.5
FLASH_MOSI2: IC47.12 IC48.5 JP24.5
FLASH_MOSI3: IC65.12 IC66.5 JP33.5
FLASH_MOSI4: IC83.12 IC84.5 JP42.5
FLASH_MOSI6: IC119.12 IC120.5 JP60.5
FLASH_PU: IC14.3 IC14.7 R66.2
FLASH_PU1: IC30.3 IC30.7 R144.2
FLASH_PU2: IC48.3 IC48.7 R222.2
FLASH_PU3: IC66.3 IC66.7 R300.2
FLASH_PU4: IC84.3 IC84.7 R378.2
FLASH_PU6: IC120.3 IC120.7 R534.2
GMS_ANT_L [50R Single]: C73.2 D2.1 J4.ANT J7.1 L3.2
GMS_ANT_L1 [50R Single]: C174.2 D4.1 J15.ANT J19.1 L13.2
GMS_ANT_L2 [50R Single]: C282.2 D6.1 J25.ANT J29.1 L22.2
GMS_ANT_L3 [50R Single]: C390.2 D8.1 J35.ANT J39.1 L31.2
GMS_ANT_L4 [50R Single]: C498.2 D10.1 J45.ANT J49.1 L40.2
GMS_ANT_L6 [50R Single]: C714.2 D14.1 J65.ANT J69.1 L58.2
GND: ANT1.2 ANT1.3 ANT1.4 ANT2.2 ANT2.3 ANT2.4 C1.2 C2.1 C3.1 C4.1 C5.1 C6.1 C7.1 C8.1 C9.1 C10.1 C11.1 C12.1 C13.1 C14.1 C15.1 C16.1 C17.1 C18.1 C19.1 C20.1 C21.1 C22.1 C23.1 C24.1 C25.1 C26.1 C27.1 C28.1 C29.- C30.1 C31.1 C32.- C33.2 C34.2 C35.2 C36.2 C38.1 C39.1 C40.2 C41.2 C42.1 C43.1 C44.2 C45.1 C46.2 C47.2 C48.1 C49.1 C50.1 C51.1 C53.2 C54.2 C55.2 C57.2 C58.2 C59.1 C60.1 C61.2 C62.2 C63.2 C65.2 C66.2 C67.2 C69.2 C70.1 C71.1 C72.1 C73.1 C74.1 C75.1 C76.1 C77.1 C78.1 C84.2 C85.2 C86.2 C87.2 C88.2 C89.2 C90.2 C91.2 C92.2 C93.2 C94.2 C95.2 C96.2 C97.2 C98.1 C99.1 C100.1 C101.1 C102.2 C104.2 C106.2 C107.2 C108.2 D1.A D2.2 FL1.GND@2 FL1.GND@4 IC1.10 IC1.17 IC1.48 IC1.55 IC1.58 IC1.80 IC1.114 IC2.6 IC2.12 IC2.28 IC2.41 IC2.46 IC2.52 IC2.54 IC3.2 IC3.3 IC4.9 IC4.18 IC4.23 IC4.24 IC4.25 IC5.8 IC5.13 IC5.19 IC5.21 IC5.27 IC5.30 IC5.31 IC5.33 IC5.36 IC5.37 IC6.4 IC7.3 IC8.17 IC8.18 IC8.25 IC9.3 IC9.5 IC10.3 IC11.4 IC12.7 IC13.7 IC13.PAD IC14.4 IC15.PAD IC16.2 IC16.4 IC17.2 IC17.3 IC17.PAD IC18.3 J1.C4 J1.C5 J1.GND1 J1.GND2 J1.GND3 J1.GND4 J1.GND5 J1.GND6 J2.6 J2.11 J2.12 J2.13 J2.14 J2.15 J2.16 J2.17 J2.18 J2.19 J2.20 J2.21 J2.22 J2.23 J2.24 J2.25 J2.26 J2.27 J2.28 J2.29 J2.30 J2.31 J2.32 J2.43 J2.48 J2.49 J2.50 J3.3 J3.5 J3.9 J5.1 J7.G@1 J7.G@2 J7.G@3 J7.G@4 J8.4 J8.8 J8.SS1 J8.SS2 J9.4 J10.4 J10.8 J10.SS1 J10.SS2 J11.1 JP1.1 JP2.1 JP3.1 JP4.5 JP5.1 JP6.1 JP7.1 JP7.2 JP7.4 JP8.1 JP9.1 LED1.3 LED2.3 LED3.C LED4.C PCB.GND Q1.2 Q2.2 Q8.4 Q8.EP2 R3.2 R7.2 R15.1 R17.2 R19.2 R25.2 R30.2 R38.2 R39.2 R40.2 R51.2 R55.1 R59.2 R61.2 R62.2 R63.2 R64.2 R65.2 R70.2 R71.2 R72.2 R74.2 S1.1 S1.A1 S1.A2 S2.1 S2.A1 S2.A2 S3.1 S3.A1 S3.A2 S4.1 S4.A1 S4.A2 S5.1 S5.A1 S5.A2 S6.1 S6.A1 S6.A2 S7.1 S7.A1 S7.A2 S8.1 S8.A1 S8.A2 S9.1 S9.A1 S9.A2 S10.1 S10.A1 S10.A2 S11.1 S11.A1 S11.A2 S12.1 S12.A1 S12.A2 S13.1 S13.A1 S13.A2 S14.1 S14.A1 S14.A2 S15.1 S15.A1 S15.A2 S16.1 S17.1 S18.2 S19.1 S20.1 TP17.TP U1.GND X2.2 X2.4 X4.2 X4.4